# KiCad board srvant-mk2.kicad_pcb (continued)
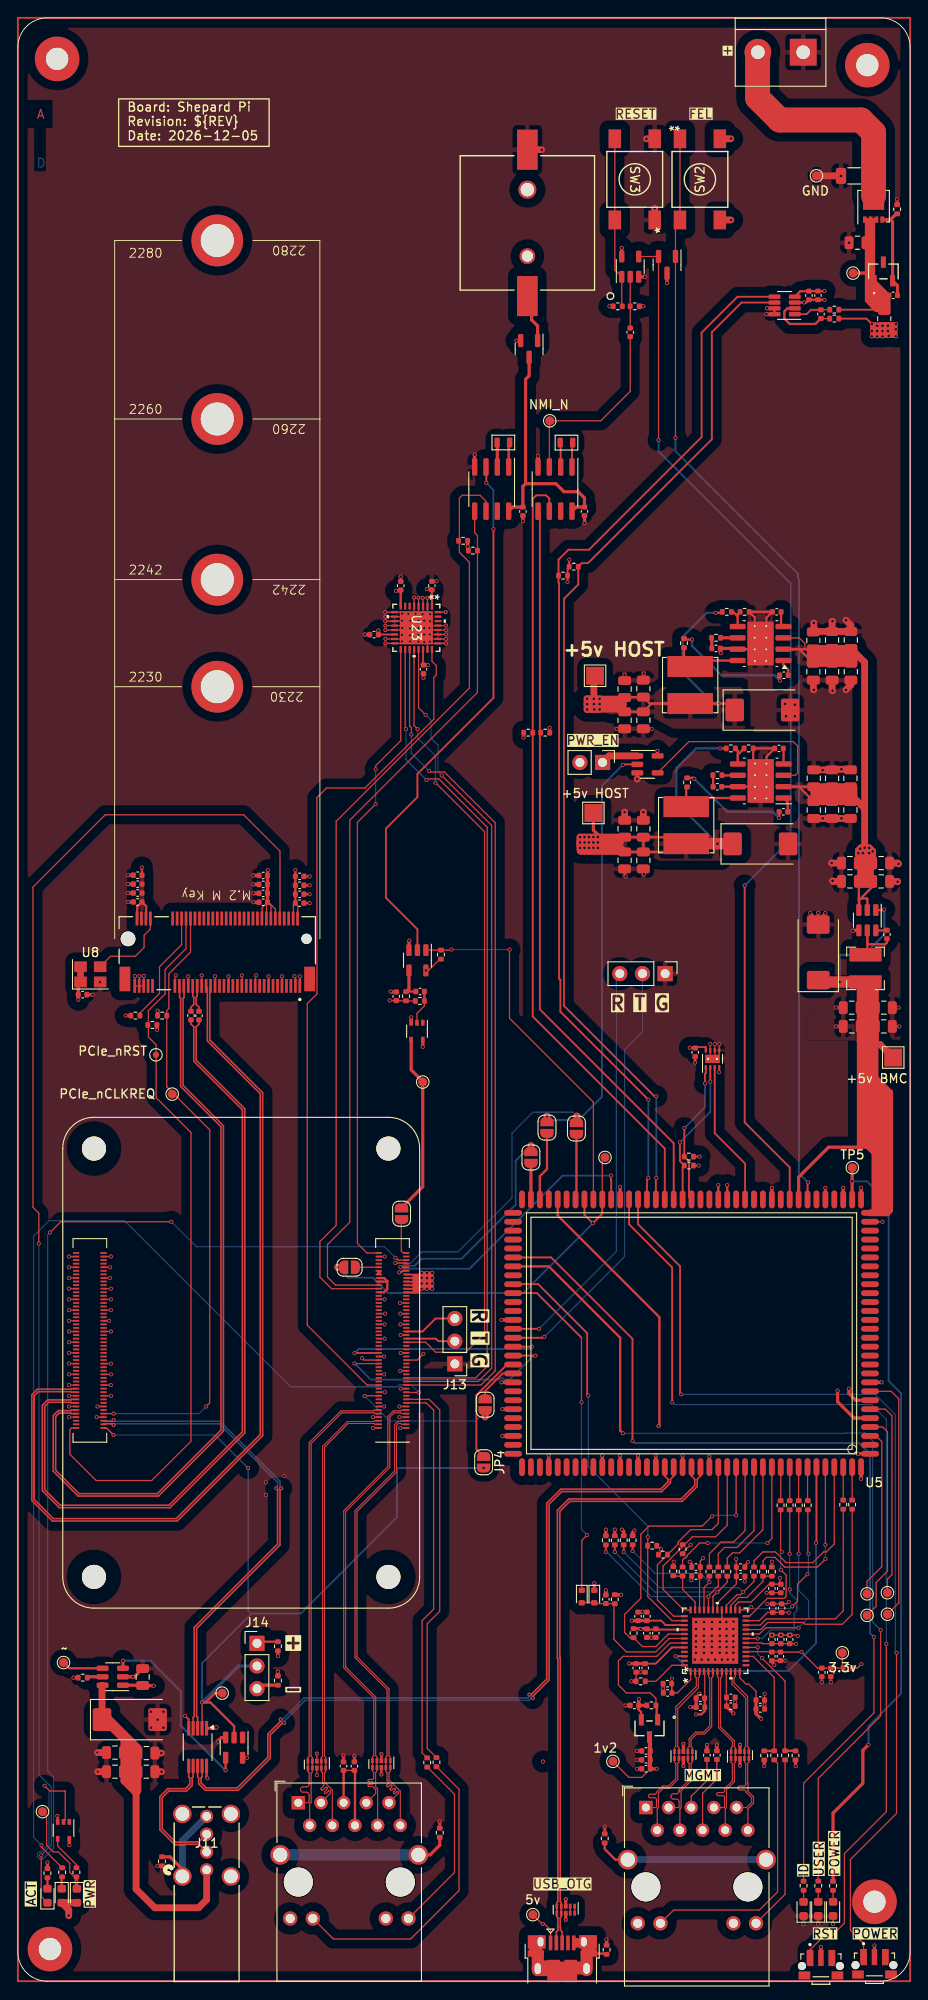
[diagram p0: board, top side]
## Routing (per net, layer and track width the routed paths; a pad name or vN(x,y) marks a point on that pad's centre or on a via; arc(x,y) is an arc through that point) (continued)
CLK125_OUT: length 36.6
  Top w0.13: v1(77.8,52.1) 76.7,51 70.73,51 69.81,50.08 69.81,42.92 68,41.1 68,39.09 68.6,38.49 R25.2 69.99,37.5 71.5,37.5 72.9,38.9 U12.41 ; v1(80.5,52.2) U5.120
  Bottom w0.13: v1(77.8,52.1) 77.9,52.2 v1(80.5,52.2)
EPHY_25M: length 38.5
  Top w0.199: v1(89.45,49.12) 89.5,49.17 U5.129 ; v1(73.71,36.42) 74.68,36.42 U12.46
  Bottom w0.199: v1(73.71,36.42) 75.36,34.77 86.35,34.77 89.45,37.87 v1(89.45,49.12)
MAC_RESET_OUT_N: length 38.6
  Top w0.13: D6.1 63.2,49.4 v1(63.8,50) ; v1(63.17,64.87) 63.17,72.11
  Top w0.199: 63.17,72.11 58.17,77.1 U5.77
  Bottom w0.13: v1(63.17,64.87) 63.17,50.63 v1(63.8,50)
PHY_INT_N: length 48.1
  Top w0.13: v1(70.6,49.76) 70.59,49.75 R46.2 70.59,43.11 73.3,40.4 U12.38
  Top w0.199: U5.76 58.32,78.1 63.8,72.62 63.8,65.76 v1(63.93,65.63)
  Bottom w0.13: v1(63.93,65.63) 63.93,57.67 70.6,51 v1(70.6,49.76)
PHY_MDC: length 22.2
  Top w0.13: U5.119 79.5,51.1 78.2,49.8 75.6,49.8 72.31,46.51 72.31,43.91 74.62,41.6 U12.36
PHY_MDIO: length 22.9
  Top w0.13: U5.118 78.5,51.3 77.8,50.6 75.4,50.6 73.98,49.19 73.98,48.98 71.67,46.67 71.67,42.73 73.5,40.9 U12.37
RX_CTL: length 13.7
  Top w0.13: R37.1 77.5,47.9 78.8,49.2 80.2,49.2 81.5,50.5 U5.121
RXC: length 19.8
  Top w0.13: v1(77.3,49.1) 76.4,49.1 75.02,47.72 75.02,47.61 74.83,47.43 74.72,47.43 74.5,47.2 R36.1 ; U5.124 84.5,49.6 v1(84,49.1)
  Bottom w0.13: v1(84,49.1) v1(77.3,49.1)
RXD0: length 13.7
  Top w0.13: U5.122 82.5,50.5 80.6,48.6 79.2,48.6 78.5,47.9 R38.1
RXD1: length 13.3
  Top w0.13: U5.123 83.5,50.6 80.9,48 80.1,48 79.5,47.4 R39.1
RXD2: length 20.1
  Top w0.13: R40.1 82.5,47.1 83.5,48.1 84.9,48.1 86.1,46.9 89.1,46.9 90.3,48.1 90.6,48.1 91.5,49 U5.131
RXD3: length 19
  Top w0.13: R41.1 83.52,47.12 83.9,47.5 84.85,47.5 85.9,46.45 85.9,46.4 89.6,46.4 v1(90.5,47.3) ; U5.130 v1(90.5,48.9)
  Bottom w0.13: v1(90.5,47.3) v1(90.5,48.9)
TX_CTL: length 3.7
  Top w0.13: U5.128 88.5,53.93 ; 88.5,53.87 R23.2
TXC: length 3.7
  Top w0.13: 85.5,57.54 85.5,53.86 R22.2
TXD0: length 3.7
  Top w0.13: 86.5,57.54 R18.2
TXD1: length 3.7
  Top w0.13: 87.5,53.86 R19.2 ; U5.127 87.5,53.92
TXD2: length 3.9
  Top w0.13: 93.56,53.97 93.62,53.91 ; U5.133 93.5,53.81
TXD3: length 3.8
  Top w0.13: U5.132 92.5,53.81
Net-(BT1-+): length 5.5
  Top w0.35: D2.1 58.25,185.48 57.58,186.15 57.58,188.35 BT1.1
Net-(C17-Pad1): length 1.3
  Top w0.25: C17.1 77.92,135.11 R4.2
Net-(C37-Pad1): length 5.8
  Top w0.13: U25.2 68.63,188.44 68.62,188.44 R77.2 68.62,187.43 68.63,187.42 C37.1
Net-(C40-Pad1): length 6.3
  Top w0.13: 77.12,24.75 C40.1 77.22,22.48 75.47,20.73 J5.5
Net-(C44-Pad1): length 8.7
  Top w0.13: J5.6 76.73,21.05 78.34,22.65 C44.1 78.39,24.8
Net-(C69-Pad2): length 12.9
  Top w0.25: v1(75.8,134.74) 75.7,134.84 R16.1 ; v1(85.3,130.34) 85.32,130.36 C69.2
  Bottom w0.25: v1(85.3,130.34) 84.6,131.04 79.5,131.04 v1(75.8,134.74)
Net-(C90-Pad1): length 4.1
  Top w0.13: U21.2 44.73,108.45 45.56,109.28 R59.1 45.56,109.84 ; 45.61,110.95 C90.1 45.65,110.81
  Top w0.25: C90.1 45.56,109.84
Net-(C90-Pad2): length 3.5
  Top w0.25: 43.58,110.9 C90.2
  Top w0.35: U24.4 43.83,111.2 R57.1
Net-(C104-Pad1): length 11.1
  Top w0.13: 36.57,23.54 C105.1 C104.1
  Top w0.25: J9.6 37.78,23.56 C104.1 ; C105.1 36.51,23.61 J9.5
Net-(C111-Pad2): length 13.7
  Top w0.25: R62.1 74.76,150.34 v1(75.55,150.34) ; v1(85.4,145.74) 85.37,145.77 C111.2
  Bottom w0.25: v1(75.55,150.34) 75.55,149.64 78.85,146.34 84.8,146.34 v1(85.4,145.74)
Net-(C114-Pad1): length 1.2
  Top w0.25: 77.77,150.51 R63.2
  Top w0.35: C114.1 77.77,150.51
Net-(D1-A): length 10.7
  Top w0.25: R1.1 98.45,198.04
  Top w0.35: 97.8,197.39 Q1.4 ; 97.8,197.39 98.45,198.04 ; 97.8,197.39 98.03,197.16 D1.2 98.58,189.99 C2.2
Net-(D3-A): length 1.3
  Top w0.13: D3.2 R13.1
Net-(D4-A): length 1.3
  Top w0.13: D4.2 88.06,10.09 87.96,10.19
Net-(D7-K): length 1.3
  Top w0.13: 4.92,11.65 R60.1
  Top w0.25: D7.1 4.92,11.65
Net-(D8-K): length 12.4
  Top w0.13: 6.95,10.7 D8.1 6.74,10.49 ; 6.76,11.69 6.62,11.55 6.62,11.84 ; TP11.1 3.22,18.54 3.22,15.25 3.99,14.48 4.55,14.48 5.82,13.21 5.82,12.21 6.33,11.69 R65.1
  Top w0.199: 6.74,10.49 6.56,10.67 v1(6.56,11.1)
  Top w0.35: 6.62,11.55 6.56,11.49 6.56,10.42 D8.1
Net-(D10-A): length 1.3
  Top w0.13: 3.32,10.38 3.38,10.32
  Top w0.25: R74.2 3.32,10.38
Net-(D10-K): length 155.8
  Top w0.13: 29.38,118.97 29.38,126.62 25.3,130.7 9.8,130.7 1.7,122.6 1.7,86.71 2.35,86.06 v1(2.35,82.65) ; v1(2.62,14.11) 2.62,9.49 D10.1
  Bottom w0.13: v1(2.35,82.65) 2.38,82.62 2.38,23.11 3.74,21.75 3.74,15.23 v1(2.62,14.11)
Net-(D11-A): length 1.3
  Top w0.13: D11.2 R70.1
Net-(FB5-Pad2): length 19.2
  Top w0.25: J5.SH 66.96,13.62 65.77,14.81 FB5.2
  Bottom w0.76: J5.SH J5.SH
Net-(FB8-Pad1): length 19.2
  Top w0.35: J9.SH 46.2,14.16 47.28,15.24 FB8.1
  Bottom w1.27: J9.SH J9.SH
Net-(J2-Pin_1): length 4.2
  Top w0.76: U3.1 66.26,137.3 J2.1
Net-(J4-GND): length 685.2
  Top w0.13: 63.91,3.09 J4.6 ; 63.9,2.49 J4.6 ; J4.6 58.17,4.41 J4.6 ; J4.6 58.09,3.09
  Top w0.2: 0,220 100,220 100,0 0,0 0,220
  Top w0.25: 64.47,4.27 64.47,2.98 ; J4.6 63.3,4.29 J4.5 ; 57.41,4.37 57.41,3.08 ; 64.72,4.27 64.72,2.98 ; 58.02,4.46 58.02,1.77 ; 62.3,4.08 63.3,4.08 ; 57.85,4.46 57.85,1.77 ; 65.9,3.09 J4.6 ; 64.32,4.32 64.32,3.03 ; 58.66,4.54 58.66,1.84 ; 62.4,4.71 63.4,4.71 ; J4.6 58.27,4.1 J4.6 ; 59.77,1.41 J4.6 ; 62.3,3.9 63.3,3.9 ; 58.46,4.51 58.46,1.82 ; 62.38,4.51 63.38,4.51 ; 57.64,4.34 57.64,3.05
  Top w0.76: J4.6 59.77,1.41 ; 63.57,4.41 63.57,2.49 ; 58.26,1.94 59.76,1.94 ; 62.32,1.82 63.43,1.82 ; 62.33,1.06 62.42,1.14 63.54,1.14 63.62,1.06 ; J4.6 J4.6 ; 58.24,0.95 59.74,0.95 ; 60.04,1.82 61.96,1.82 ; 60.01,0.47 61.93,0.47 ; J4.6 63.9,2.49
Net-(J5-LED1-): length 19.7
  Top w0.13: R17.1 85.98,9.74 J5.14
Net-(J5-LED2-): length 29.5
  Top w0.13: J5.12 73.49,7.97 83.1,7.97 85.14,10.01 85.14,24.43 R15.1
Net-(J8-SUSCLK): length 9.4
  Top w0.13: U8.3 10.4,114.85 13.17,114.85 14.15,115.83 14.15,117.2 14.85,117.9 J8.68
Net-(J9-LED1-): length 20.4
  Top w0.13: J9.14 48.93,12.19 48.93,20.94 R67.1
Net-(J9-LED2-): length 34.5
  Top w0.13: R66.1 49.44,21.51 49.44,10.15 44.02,4.73 35.36,4.73 J9.12
Net-(J11-GND): length 11.5
  Top w0.35: J11.5 18.44,12.55 17.06,13.93 16.15,13.93
  Bottom w0.76: J11.5 18.44,15.75 J11.4
Net-(J14-Pin_1): length 2.4
  Top w0.25: R54.1 26.98,38.04 J14.1
Net-(J14-Pin_3): length 2.5
  Top w0.35: R80.2 27.19,33.17 J14.3
Net-(JP1-B): length 4.2
  Top w0.13: JP1.2 42.97,85.33 42.97,81.83 43.2,81.6 Module1.99
Net-(JP2-A): length 4.8
  Top w0.199: U5.86 54.33,68.1 52.37,66.14 JP2.1
Net-(JP3-A): length 7.3
  Top w0.25: U5.61 62.6,87.7 JP3.1
Net-(JP4-A): length 12.7
  Top w0.199: JP4.1 51.39,59.61 51.39,65.66 54.83,69.1 U5.85
Net-(JP5-A): length 7.7
  Top w0.25: U5.65 58.5,90.2 59.3,91 JP5.1
Net-(JP6-A): length 4
  Top w0.35: U5.66 JP6.1
Net-(JP7-A): length 2.6
  Top w0.13: JP7.1 Module1.92
Net-(Module1A-PI_nLED_Activity): length 125.6
  Top w0.13: Module1.21 43.56,65.97 v1(44.94,65.97) ; v1(2.65,15.22) 2.65,15.02 R60.2
  Bottom w0.13: v1(44.94,65.97) 44.09,66.82 42.72,66.82 42.5,66.6 30.58,66.6 11.96,85.22 3.49,85.22 1.76,83.49 1.76,16.11 v1(2.65,15.22)
Net-(R65-Pad2): length 4.4
  Top w0.13: 6.61,12.67 R65.2 ; R65.2 6.56,13.06 4.47,15.16 U18.4 ; R65.2 6.76,12.71
Net-(R73-Pad2): length 19.1
  Top w0.13: SW3.3 SW3.4 66.9,191.76 U25.1 67.68,187.74 R73.2
Net-(U1-BST): length 1.3
  Top w0.25: U1.6 97.38,117.75 C15.1
Net-(U1-SW): length 6.5
  Top w0.25: U1.5 95.2,116.19 97.2,116.19 97.4,116.39 C15.2 ; 95.2,117.19 95.2,115.21 L1.1
Net-(U2-BST): length 1.7
  Top w0.25: C69.1 86.28,132.12 U2.1
Net-(U2-COMP): length 1.8
  Top w0.25: R4.1 78.92,135.12 U2.6
Net-(U2-FB): length 3.9
  Top w0.25: R5.2 80.69,137.86 U2.5 80.69,137.44 R6.1
Net-(U2-SS): length 1.8
  Top w0.25: C14.1 85.81,138.11 U2.4
Net-(U2-SW): length 8.2
  Top w0.25: L2.1 74.9,133.72 R16.2 ; U2.8 74.87,132.58 74.8,132.51
Net-(U4-IN+): length 4.1
  Top w0.13: R7.2 90.02,187.3 C29.1
  Top w0.199: U4.1 88.4,186.8 88.88,187.28 C29.1
Net-(U4-IN-): length 7.7
  Top w0.13: R8.2 90.02,186.3 C29.2
  Top w0.25: C29.2 89.38,185.7 86.5,185.7 85.9,186.3 85.9,187.1 86.25,187.45 U4.2
Net-(U6-OSCI): length 2.6
  Top w0.199: U6.1 62.1,172.33
Net-(U6-OSCO): length 2.7
  Top w0.199: U6.2 60.83,172.35
Net-(U7-D1+): length 0.8
  Top w0.13: U7.1 U7.10
Net-(U7-D1-): length 0.8
  Top w0.13: U7.2 U7.9
Net-(U12-ISET): length 5.1
  Top w0.13: U12.48 73.3,35.4 71.5,33.6 R29.2
Net-(U12-TX_CTL): length 17.8
  Top w0.13: v1(82.2,41.9) 81.9,41.6 U12.25 ; R23.1 88.53,47.97 v1(88.6,47.9) ; v1(88.5,45.6) 87.38,44.48 87.38,42.58 v1(86.8,42)
  Bottom w0.13: v1(86.8,42) 86.55,41.75 82.35,41.75 v1(82.2,41.9) ; v1(88.5,45.6) 88.6,45.7 v1(88.6,47.9)
Net-(U12-TXC): length 15.7
  Top w0.13: v1(85.6,48.1) 85.48,48.22 R22.1 85.68,52.82 85.7,52.84 ; v1(85.5,46.1) 86.1,45.5 86.1,43.1 85.9,42.9 84,42.9 82,40.9 U12.24
  Bottom w0.13: v1(85.6,48.1) 85.5,48 v1(85.5,46.1)
Net-(U12-TXD0): length 19.7
  Top w0.13: U12.19 v1(82.9,38.4) ; v1(86.5,47.9) R18.1
  Bottom w0.13: v1(82.9,38.4) 83.4,38.4 84.34,39.34 87,39.34 87,41.2 87.3,41.5 87.3,42.7 86.52,43.48 v1(86.52,43.9) 86.5,43.92 v1(86.5,47.9)
Net-(U12-TXD1): length 20.3
  Top w0.13: v1(87.5,47.9) 87.52,47.92 R19.1 ; U12.20 83.1,38.9 83.8,39.6 v1(87.5,39.6)
  Bottom w0.13: v1(87.5,47.9) 87.5,43.8 88.62,42.68 88.62,40.72 v1(87.5,39.6)
Net-(U12-TXD2): length 24.6
  Top w0.13: U12.21 83.23,39.4 84.03,40.2 88,40.2 88.2,40 92.4,40 93.5,41.1 R20.1
Net-(U12-TXD3): length 23.1
  Top w0.13: U12.22 83.2,39.9 83.9,40.6 91.6,40.6 92.5,41.5 R21.1 ; 92.52,52.81 92.6,52.89
Net-(U14-EN): length 21.2
  Top w0.13: 11.77,35.93 v1(11.79,35.92) ; 11.81,35.1 U14.3 ; U14.3 11.75,35.09 ; U14.3 11.79,35.08
  Top w0.25: v1(23.28,23.62) 23.28,23.63 U13.4
  Top w0.35: v1(11.79,35.92) 11.79,35.08
  Bottom w0.25: v1(11.79,35.92) 14.83,35.92 18.27,32.48 18.27,28.64 v1(23.28,23.62)
Net-(U14-ILIM): length 1.8
  Top w0.13: 7.88,34.11 R53.1
  Top w0.35: U14.5 7.88,34.11
Net-(U17-OSCI): length 2.9
  Top w0.13: Y3.2 55.18,172.42
  Top w0.199: 55,172.31 Y3.2
  Top w0.25: U17.1 55,172.31
Net-(U17-OSCO): length 2.8
  Top w0.13: 53.78,172.42 53.85,172.42
  Top w0.199: 53.73,172.39 Y3.1
  Top w0.35: U17.2 53.73,172.39
Net-(U26-BST): length 1.9
  Top w0.25: U26.1 85.79,147.5 86.33,146.96 C111.1
Net-(U26-COMP): length 1.9
  Top w0.25: 80.65,150.54 U26.6
  Top w0.35: R63.1 80.65,150.54
Net-(U26-FB): length 2.7
  Top w0.25: U26.5 80.67,152.94 ; 80.67,152.94 80.17,153.44 R64.2 ; 80.67,152.94 80.67,153.17 R69.1
Net-(U26-SS): length 1.8
  Top w0.25: U26.4 85.53,152.06 C112.1
Net-(U26-SW): length 8
  Top w0.25: R62.2 74.65,148.01 L4.1 76.02,147.98 U26.8
unconnected-(U5A-PD6/LCD_D10/LVDS0_CKP/DSI_D2P/UART5_RX/PD_EINT6-Pad63): length 30.2
  Top w0.25: v2(71.8,62.2) 71.9,62.3 71.9,74.4 60.5,85.8 U5.63

## Copper pours and planes (outline as drawn; the poured copper is in the pictures)
/BMC ethernet/1V2 on In2.Cu (pwr+signal): 92.66,33.88 92.4,51.8 63,51.7 62.78,21.94 92.76,21.56 92.66,34.13
/BMC ethernet/3.3v_PHY on In3.Cu (pwr): 92.63,34.01 92.5,51.7 63,51.7 62.78,21.94 92.76,21.56 92.63,34.26
/BMC ethernet/+3v3_AUX on Top: 13.41,119.19 14.48,119.19 14.53,124.73 13.43,124.73
/BMC ethernet/+3v3_AUX on Top: 63.4,144.04 63.4,142.24 65.3,142.24 67.5,141.74 70.7,141.84 73.5,140.34 81.5,140.34 81.5,143.84 81.1,145.04 72.2,145.04 70.9,144.04
/BMC ethernet/+3v3_AUX on In3.Cu (pwr): 35.87,104.6 3.43,104.88 3.22,212.7 83.23,212.82 83.23,209.9 88.06,205.08 90.34,205.08 90.34,154.78 79.17,154.91 79.17,144.88 79.04,139.54 79.04,131.29 45.58,131.26 46.37,104.5
/BMC ethernet/+3v3_AUX on In3.Cu (pwr): 67.36,131.29 67.36,118.59 79.04,118.59 79.04,131.29
/BMC ethernet/+3v3_AUX on In3.Cu (pwr): 99.61,25.62 99.74,118.46 56.89,118.81 56.98,54.96 34.97,54.84 34.84,51.91 26.34,43.75 25.83,21.81 38.27,21.69 59.61,21.43 61.39,21.56 61.8,52.9 93.8,53 93.9,25.62
/cm4/+5v_HOST on Top: 64.5,128.54 65.5,128.54 67.6,128.64 70.7,128.64 72.4,129.04 81.4,129.04 81.4,125.54 71.9,125.54 70.6,126.14 67.3,126.14 65.4,126.74 64.5,126.74
/cm4/+5v_HOST on In3.Cu (pwr): 49.37,129.49 47.29,129.48 47.43,102.46 3.78,102.61 3.71,31.6 23.51,31.63 23.65,46.26 32.99,54.86 33.03,57.26 53.27,57.55 53.11,120.63 65.42,120.49 65.36,129.18 52.84,129.49
GND on Top: 94.5,105.4 88.4,105.4 88.4,107.7 91.5,110.6 91.6,114.5 92.9,114.5 92.9,108 94.5,106.5
GND on Top: 84.6,153.74 81.8,153.74 81.8,149.74 81.4,149.54 81.4,149.04 81.8,148.74 81.8,144.84 82.1,144.04 82.1,140.64 87.5,140.64 87.5,143.64 85.7,143.64 84.6,144.64
GND on Top: 87.3,128.64 87.3,125.64 82.2,125.64 82.2,129.14 81.8,129.74 81.8,136.94 82.2,137.84 82.2,138.44 85.1,138.44 85.1,137.94 84.7,136.94 84.7,129.64 86.9,128.64
GND on Top, Bottom, In1.Cu (gnd), In2.Cu (pwr+signal), In4.Cu (gnd): 0,220 0,0 100,0 100,220
GND on In4.Cu (gnd): -0.08,219.94 0.05,-0.03 100.12,-0.03 100.12,220.06 -0.08,220.06
/power/SENSE_IN- on Top: 93.5,134.34 87.3,134.34 86.3,134.04 86.3,133.64 87.1,133.04 87.1,132.34 87.8,131.84 93.5,131.84
/power/SENSE_IN- on Top: 93.7,149.74 87.5,149.74 86.5,149.44 86.5,149.04 87.3,148.44 87.3,147.74 88,147.24 93.7,147.24
/power/SENSE_IN- on In3.Cu (pwr): 99.74,126.07 99.79,126.09 99.75,126.07 99.8,126.05 99.82,126.09 99.8,126.06 99.8,126.05 99.76,126.03 99.78,126.05 99.82,126.07 99.81,121.09 93.08,121.33 90.13,121.33 87.8,121.4 84.6,121.36 84.44,153.68 87.4,153.66 93.6,153.65 93.5,185.9 99.8,185.9 99.8,126.1 99.76,126.11 99.81,126.11

## Text on the board
Bottom: D
Top: A
F.Silkscreen: Board: Shepard Pi / Revision: ${REV} / Date: ${CURRENT_DATE} | RESET | FEL | + | +5v BMC | POWER | R | G | T | +5v HOST | -
In1.Cu (gnd): B
In2.Cu (pwr+signal): C
In3.Cu (pwr): GLOBAL_EN
